# KiCad board £2 Blaster.kicad_pcb
title: Cheap ByteBlaster Clone; date: 2025-12-15; rev: 1.0; company: liveboxandy; note: Initial Release of a ByteBlaster clone that only uses a CH552G; note: with resistors. Be careful if using 5V devices
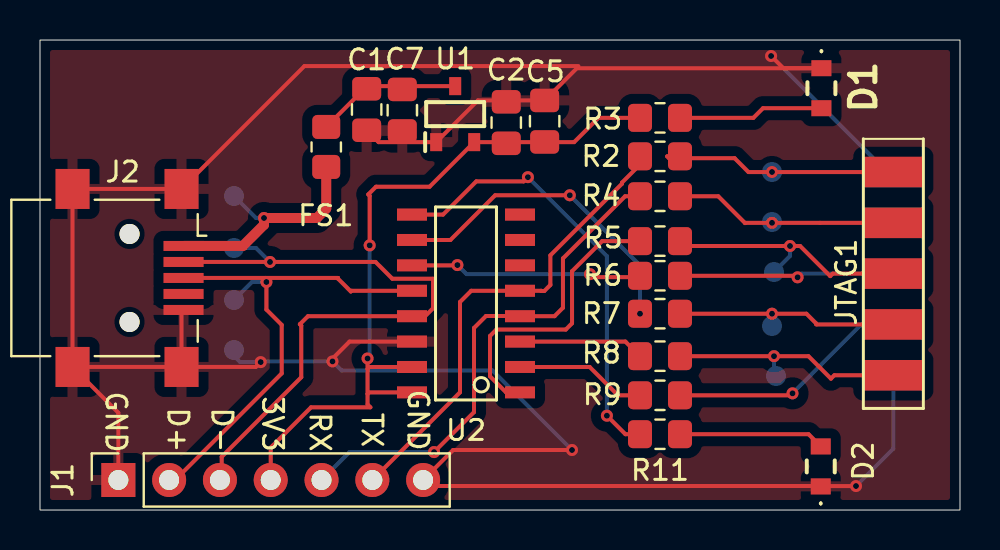
[diagram p0: board, top side]
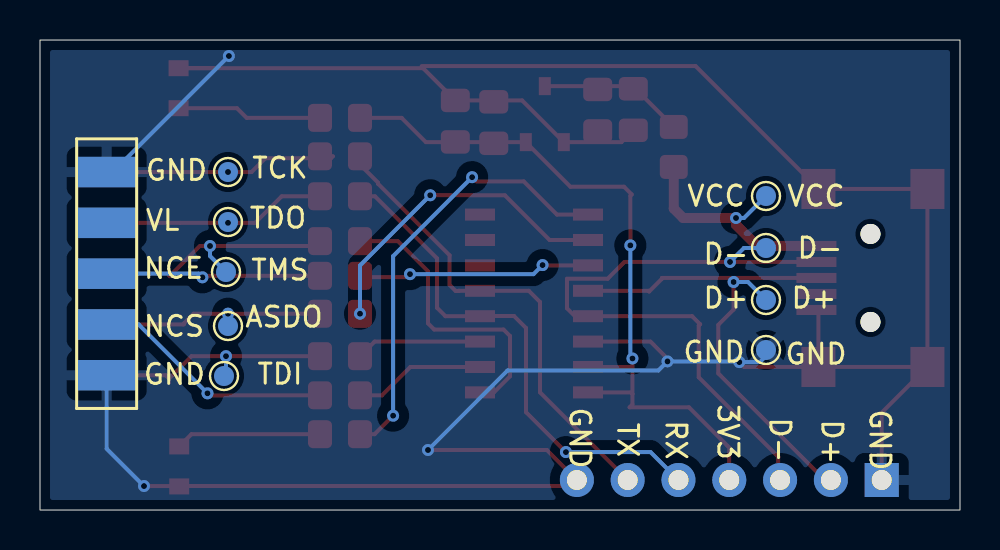
[diagram p1: board, bottom side, seen from below]

Outline 46 x 23.5 mm; copper layers: Top, Bottom. Coordinates in mm from the lower left corner of the outline.
Outline path: rectangle 0,23.5 46,0

## Placement (name value [footprint] x y rotation side)
C1  10nF  [C_0805_2012Metric_Pad1.18x1.45mm_HandSolder]  16.33 20.02 270 top
C2  100nF  [C_0805_2012Metric_Pad1.18x1.45mm_HandSolder]  23.31 19.37 90 top
C5  10nF  [C_0805_2012Metric_Pad1.18x1.45mm_HandSolder]  25.23 19.44 90 top
C7  100nF  [C_0805_2012Metric_Pad1.18x1.45mm_HandSolder]  18.11 19.99 270 top
D1  150224BS73100  [LED SMD 0805]  39.07 21.09 270 top
D2  150224BS73100  [LED SMD 0805]  39.04 2.18 90 top
FS1  0R  [R_0805_2012Metric_Pad1.20x1.40mm_HandSolder]  14.31 18.15 90 top
J1  Conn_01x07  [PinSocket_1x07_P2.54mm_Vertical]  3.92 1.5 90 top
J2  USB_B_Mini  [USB_Mini-B_Lumberg_2486_01_Horizontal]  4.48 11.6 270 top
JTAG1  61201021621  [JTAG_Edge_Connector]  42.67 -3.42 270 top
R2  22R  [R_0805_2012Metric_Pad1.20x1.40mm_HandSolder]  31 17.68 0 top
R3  330R  [R_0805_2012Metric_Pad1.20x1.40mm_HandSolder]  31 19.61 0 top
R4  22R  [R_0805_2012Metric_Pad1.20x1.40mm_HandSolder]  31 15.69 0 top
R5  22R  [R_0805_2012Metric_Pad1.20x1.40mm_HandSolder]  31 13.44 0 top
R6  22R  [R_0805_2012Metric_Pad1.20x1.40mm_HandSolder]  31 11.71 0 top
R7  22R  [R_0805_2012Metric_Pad1.20x1.40mm_HandSolder]  31 9.81 0 top
R8  22R  [R_0805_2012Metric_Pad1.20x1.40mm_HandSolder]  31 7.69 0 top
R9  22R  [R_0805_2012Metric_Pad1.20x1.40mm_HandSolder]  31 5.74 0 top
R11  330R  [R_0805_2012Metric_Pad1.20x1.40mm_HandSolder]  31 3.79 0 top
TP1  VCC  [TestPoint_Pad_D1.0mm]  9.7 15.7 180 bottom
TP2  D-  [TestPoint_Pad_D1.0mm]  9.7 13.1 180 bottom
TP3  D+  [TestPoint_Pad_D1.0mm]  9.7 10.5 180 bottom
TP4  GND  [TestPoint_Pad_D1.0mm]  9.7 8 180 bottom
TP5  TCK  [TestPoint_Pad_D1.0mm]  36.6 16.9 180 bottom
TP6  TDO  [TestPoint_Pad_D1.0mm]  36.6 14.4 180 bottom
TP7  TMS  [TestPoint_Pad_D1.0mm]  36.7 11.9 180 bottom
TP8  ASDO  [TestPoint_Pad_D1.0mm]  36.6 9.2 180 bottom
TP9  TDI  [TestPoint_Pad_D1.0mm]  36.8 6.7 180 bottom
U1  XC6206P332MR-G  [SOT95P280X130-3N]  20.76 19.79 90 top
U2  CH552G  [SOIC-16_3.9x9.9mm_Pitch1.27mm]  21.3 10.33 180 top

## Library data of the parts
C1 C2 C5 C7 = -: Description: Unpolarized capacitor; ki_fp_filters: C_*
D1 D2 = -: Datasheet: https://www.we-online.com/catalog/datasheet/150224BS73100.pdf; Description: WL-SMTW SMT Mono-color TOP LED  Waterclear 2214; Blue Typ.(@20mA): 456 nm; 220 mcd; 3 V; 120 InGaP; Height: 1.31; Mouser Part Number: 710-150224BS73100; Mouser Price/Stock: https://www.mouser.co.uk/ProductDetail/Wurth-Elektronik/150224BS73100?qs=5aG0NVq1C4w%2FjMuF9nAPXA%3D%3D; Manufacturer_Name: Wurth Elektronik
FS1 R2-R9 R11 = -: Description: Resistor; ki_fp_filters: R_*
J1 = -: Description: Generic connector, single row, 01x07, script generated (kicad-library-utils/schlib/autogen/connector/); ki_fp_filters: Connector*:*_1x??_*
J2 = -: Description: USB Mini Type B connector; ki_fp_filters: USB*Mini*B*
JTAG1 = -: Datasheet: https://www.we-online.com/components/products/download/1+%28rev1%29.pdf; Description: WR-BHD 2.54mm Male Box Header 10 pins, straight, gold plating; Height: 9.25; Mouser Part Number: 710-61201021621; Mouser Price/Stock: https://www.mouser.co.uk/ProductDetail/Wurth-Elektronik/61201021621?qs=W%252B2sBeLta1a0dwX5pxbfXw%3D%3D; Manufacturer_Name: Wurth Elektronik
TP1-TP9 = -: Description: test point; ki_fp_filters: Pin* Test*
U1 = -: Datasheet: https://www.torexsemi.com/file/xc6206/XC6206.pdf; Description: LDO Voltage Regulators; Height: 1.3; Mouser Part Number: 865-XC6206P332MR-G; Mouser Price/Stock: https://www.mouser.co.uk/ProductDetail/Torex-Semiconductor/XC6206P332MR-G?qs=AsjdqWjXhJ%2FXxNpRY3zZ8g%3D%3D; Manufacturer_Name: Torex
U2 = -: Datasheet: https://datasheet.lcsc.com/szlcsc/1812131556_Jiangsu-Qin-Heng-CH552G_C111292.pdf; Description: microcontroller, USB, SOP-16, SOP16, SOIC-16, 8-bit; ki_fp_filters: SOP*3.9x9.9mm*P1.27mm*

## Footprints (pads in the part's own frame, mm; a bottom-side part is the same pattern mirrored in y, then rotated)
C_0805_2012Metric_Pad1.18x1.45mm_HandSolder
  rrect 1.175x1.45 smd: 1(-1.038,0) 2(1.038,0)
JTAG_Edge_Connector
  rect 1.524x3 smd: 1(-20.32,0) 3(-17.78,0) 5(-15.24,0) 7(-12.7,0) 9(-10.16,0)
  rect 1.524x3 smd far side: 2(-20.32,0) 4(-17.78,0) 6(-15.24,0) 8(-12.7,0) 10(-10.16,0)
LED SMD 0805
  rect 0.8x1 smd: 1(-1,0) 2(1,0)
PinSocket_1x07_P2.54mm_Vertical
  rect 1.7x1.7 hole 1: 1(0,0)
  round 1.7 hole 1: 2(0,-2.54) 3(0,-5.08) 4(0,-7.62) 5(0,-10.16) 6(0,-12.7) 7(0,-15.24)
R_0805_2012Metric_Pad1.20x1.40mm_HandSolder
  rrect 1.2x1.4 smd: 1(-1,0) 2(1,0)
SOIC-16_3.9x9.9mm_Pitch1.27mm
  rect 1.5x0.6 smd: 1(-2.7,4.445) 2(-2.7,3.175) 3(-2.7,1.905) 4(-2.7,0.635) 5(-2.7,-0.635) 6(-2.7,-1.905) 7(-2.7,-3.175) 8(-2.7,-4.445) 9(2.7,-4.445) 10(2.7,-3.175) 11(2.7,-1.905) 12(2.7,-0.635) 13(2.7,0.635) 14(2.7,1.905) 15(2.7,3.175) 16(2.7,4.445)
SOT95P280X130-3N
  rect 0.9x0.6 smd: 1(-1.4,0.95) 2(-1.4,-0.95) 3(1.4,0)
TestPoint_Pad_D1.0mm
  round 1 smd: 1(0,0)
USB_Mini-B_Lumberg_2486_01_Horizontal
  round 1 hole 1 unplated: (-2.2,0) (2.2,0)
  rect 0.5x2 smd: 1(-1.6,2.7) 2(-0.8,2.7) 3(0,2.7) 4(0.8,2.7) 5(1.6,2.7)
  rect 2x1.7 smd: 6(-4.45,2.6) 6(-4.45,-2.85) 6(4.45,2.6) 6(4.45,-2.85)

## Nets
+3V3: C2.1 C5.1 J1.4 R3.1 U1.2 U2.15 U2.16
GND: C1.2 C2.2 C5.2 C7.2 D1.1 D2.1 J1.1 J1.7 J2.5 J2.6 JTAG1.2 JTAG1.10 TP4.1 U1.1 U2.14
VCCTarget: JTAG1.4
VIN: FS1.1 J2.1 TP1.1
ASDO: JTAG1.7 R7.2 TP8.1
ASDOI: R7.1 U2.10
DATA+: J1.2 J2.3 TP3.1 U2.12
DATA-: J1.3 J2.2 TP2.1 U2.13
ENABLE: R11.1 U2.9
NCE: JTAG1.6 R6.2
NCE1: R6.1 U2.11
NCS: JTAG1.8 R9.2
NCSI: R9.1 U2.2
RST: U2.6
RXD: J1.5 R4.1 U2.4
TCK: JTAG1.1 R2.2 TP5.1
TCKI: J1.6 R2.1 U2.5
TDI: JTAG1.9 R8.2 TP9.1
TDII: R8.1 U2.3
TDO: JTAG1.3 R4.2 TP6.1
TMS: JTAG1.5 R5.2 TP7.1
TMSI: R5.1 U2.1
Net-(D1-A): D1.2 R3.2
Net-(D2-A): D2.2 R11.2
Net-(U1-VIN): C1.1 C7.1 FS1.2 U1.3

Pads without a net: J2 4; U2 7 8

## Via types
v1: diameter 0.6, hole 0.3, Top to Bottom, 24 vias

## Routing (per net, layer and track width the routed paths; a pad name or vN(x,y) marks a point on that pad's centre or on a via; arc(x,y) is an arc through that point)
+3V3: length 38.2
  Top w0.2: 16.38,7.05 v1(16.38,7.58) ; 16.38,7.05 16.48,7.15 U2.15 ; 16.38,7.05 16.38,5.81 ; 16.38,5.81 16.45,5.88 U2.16 ; 16.38,5.81 16.38,5.27 16.52,5.13 13.55,5.13 11.54,3.12 11.54,1.2 ; v1(16.48,13.23) 16.48,15.71 16.41,15.78 16.8,16.16 19.48,16.16 U1.2 26.71,18.39 27.92,19.61 R3.1
  Bottom w0.2: v1(16.38,7.58) 16.48,7.68 v1(16.48,13.23)
GND: length 151.9
  Top w0.2: C1.2 16.93,18.39 U1.1 21.89,20.48 C5.2 26.84,22.09 D1.1 37.17,22.09 v1(36.56,22.7) ; J2.6 10.79,7.15 v1(11.03,7.4) ; J2.6 7.08,9.9 J2.5 ; J2.6 J2.6 ; J2.6 3.92,4.86 3.92,1.2 ; J2.6 J2.6 J2.6 13.22,22.2 26.92,22.2 ; v1(40.8,1.2) 39.06,1.2 D2.1 39.02,1.2 19.46,1.2 J1.7 20.66,3 v1(26.6,3) ; U2.14 15.48,8.42 14.63,7.57 v1(14.63,7.43)
  Bottom w0.2: v1(40.8,1.2) 42.67,3.06 JTAG1.10 ; 9.4,8 10,7.4 v1(11.03,7.4) 11.03,7.5 11.07,7.54 11.17,7.43 v1(14.63,7.43) 15.08,6.98 22.62,6.98 v1(26.6,3) ; JTAG1.2 42.36,16.9 v1(36.56,22.7)
VIN: length 12.1
  Top w0.5: FS1.1 14.31,15.07 13.84,14.6 v1(11.2,14.6) 11.2,14.26 10.14,13.2 J2.1
  Bottom w0.2: v1(11.2,14.6) 10.8,14.6 TP1.1
ASDO: length 11.5
  Top w0.2: JTAG1.7 38.82,9.28 38.8,9.3 38.8,9.34 38.32,9.81 v1(36.6,9.81) R7.2
  Bottom w0.2: v1(36.6,9.81) TP8.1
ASDOI: length 16.2
  Top w0.2: U2.10 20.52,13.5 22.76,15.74 v1(26.49,15.74)
  Bottom w0.2: v1(26.49,15.74) 30,12.23 v1(30,9.81)
DATA+: length 26.8
  Top w0.2: U2.12 15.57,10.96 15.54,10.93 14.9,11.57 14.9,11.6 14.9,11.6 11.29,11.6 ; 11.29,11.6 11.32,11.57 v1(11.32,11.4) 11.32,10.02 12.09,9.26 12.09,6.83 6.46,1.2 ; 11.29,11.6 J2.3
  Bottom w0.2: TP3.1 10.6,11.4 v1(11.32,11.4)
DATA-: length 33.2
  Top w0.2: 9,1.2 9.09,1.29 9.09,2.66 13.06,6.64 13.06,9.22 12.99,9.29 13.4,9.69 U2.13 19.25,9.69 19.65,10.09 19.65,11.56 17.62,11.56 16.78,12.4 v1(11.5,12.4) J2.2
  Bottom w0.2: v1(11.5,12.4) 10.8,13.1 TP2.1
ENABLE: length 22.2
  Top w0.2: R11.1 29.27,3.79 v1(28.34,4.72) ; U2.9 20.15,14.77 21.81,16.43 24.19,16.43 v1(24.4,16.64)
  Bottom w0.2: v1(24.4,16.64) 28.34,12.69 v1(28.34,4.72)
NCE: length 10.8
  Top w0.2: v1(37.88,11.63) 37.8,11.71 R6.2
  Bottom w0.2: JTAG1.6 38.06,11.82 v1(37.88,11.63)
NCE1: length 11.7
  Top w0.2: v1(27.5,11.79) 27.65,11.64 29.93,11.64 R6.1 ; v1(20.87,12.25) 20.86,12.23 U2.11
  Bottom w0.2: v1(27.5,11.79) 21.32,11.79 v1(20.87,12.25)
NCS: length 12.1
  Top w0.2: R9.2 37.53,5.74 v1(37.63,5.83)
  Bottom w0.2: JTAG1.8 41.07,9.28 v1(37.63,5.83)
NCSI: length 6.6
  Top w0.2: U2.2 27.48,7.15 28.9,5.74 R9.1
RXD: length 25.8
  Top w0.2: 13.9,1.38 14.08,1.2 ; R4.1 29.25,15.69 26.15,12.58 26.15,10.11 25.73,9.69 U2.4 ; v1(19.7,2.9) 21.7,4.89 21.7,9.1 22.3,9.7 23.81,9.7
  Bottom w0.2: v1(19.7,2.9) 15.47,2.9 J1.5
TCK: length 12.3
  Top w0.2: JTAG1.1 35.42,16.9 34.73,17.59 31.45,17.59 31.36,17.68 R2.2
  vias: v1(36.6,16.9)
TCKI: length 23.9
  Top w0.2: J1.6 21,5.88 21,10.4 21.56,10.96 U2.5 25.06,10.96 25.07,10.95 25.21,10.95 25.52,11.25 25.52,12.73 29.1,16.31 29.1,16.37 30,17.27 R2.1
TDI: length 12.2
  Top w0.2: JTAG1.9 39.72,6.74 39.55,6.57 38.42,7.69 v1(36.7,7.69) R8.2
  Bottom w0.2: v1(36.7,7.69) 36.7,6.8 TP9.1
TDII: length 6.3
  Top w0.2: R8.1 29.27,8.42 U2.3
TDO: length 11.2
  Top w0.2: R4.2 33.91,15.69 35.25,14.35 35.27,14.36 v1(36.6,14.36) JTAG1.3
TMS: length 13.1
  Top w0.2: JTAG1.5 39.64,11.82 39.51,11.69 38.01,13.2 v1(37.5,13.2) 32.24,13.2 R5.2
  Bottom w0.2: TP7.1 37.5,12.7 v1(37.5,13.2)
TMSI: length 14.8
  Top w0.2: R5.1 28.11,13.44 26.6,11.94 26.6,9.34 26.29,9.02 22.82,9.02 22.5,8.7 22.5,6.68 23.3,5.88 U2.1
Net-(D1-A): length 7.3
  Top w0.2: D1.2 36.15,20.09 35.67,19.61 R3.2
Net-(D2-A): length 7.3
  Top w0.2: D2.2 38.43,3.79 R11.2
Net-(U1-VIN): length 7.3
  Top w0.2: FS1.2 16.35,21.19 U1.3

## Copper pours and planes (outline as drawn; the poured copper is in the pictures)
GND on Top: -2.8,27.4 -2.8,27.5 -2.6,27.7 51.1,27.7 51.2,27.6 51.2,-3.9 51.1,-4 -2.7,-4 -2.7,27.6 -2.6,27.7 -2.5,27.6 -2.5,27.5 -2.6,27.4
GND on Bottom: 51,27.9 51.2,27.7 51.2,-4 -2,-4 -2.4,-3.6 -2.8,-3.6 -2.8,27.9

## Text on the board
B.Silkscreen: GND | VL | NCE | NCS | D+ | D- | 3V3 | RX | TX
F.Silkscreen: GND | D+ | D- | 3V3 | RX | TX
